# Altium PCB PCB - v3.PcbDoc (part 1 of 2)
Units mm, origin at the board's own origin, x right, y up, seen from the top; angles counter-clockwise.
Board outline 54.04 x 54.04 mm, 4 copper layers (Top Layer, Int1 (GND), Int2 (GND), Bottom Layer), stack 1.586 mm thick; 170 components, 116 nets, 729 pads, 96 vias.
Unrouted connection lines stored in the file: 174.
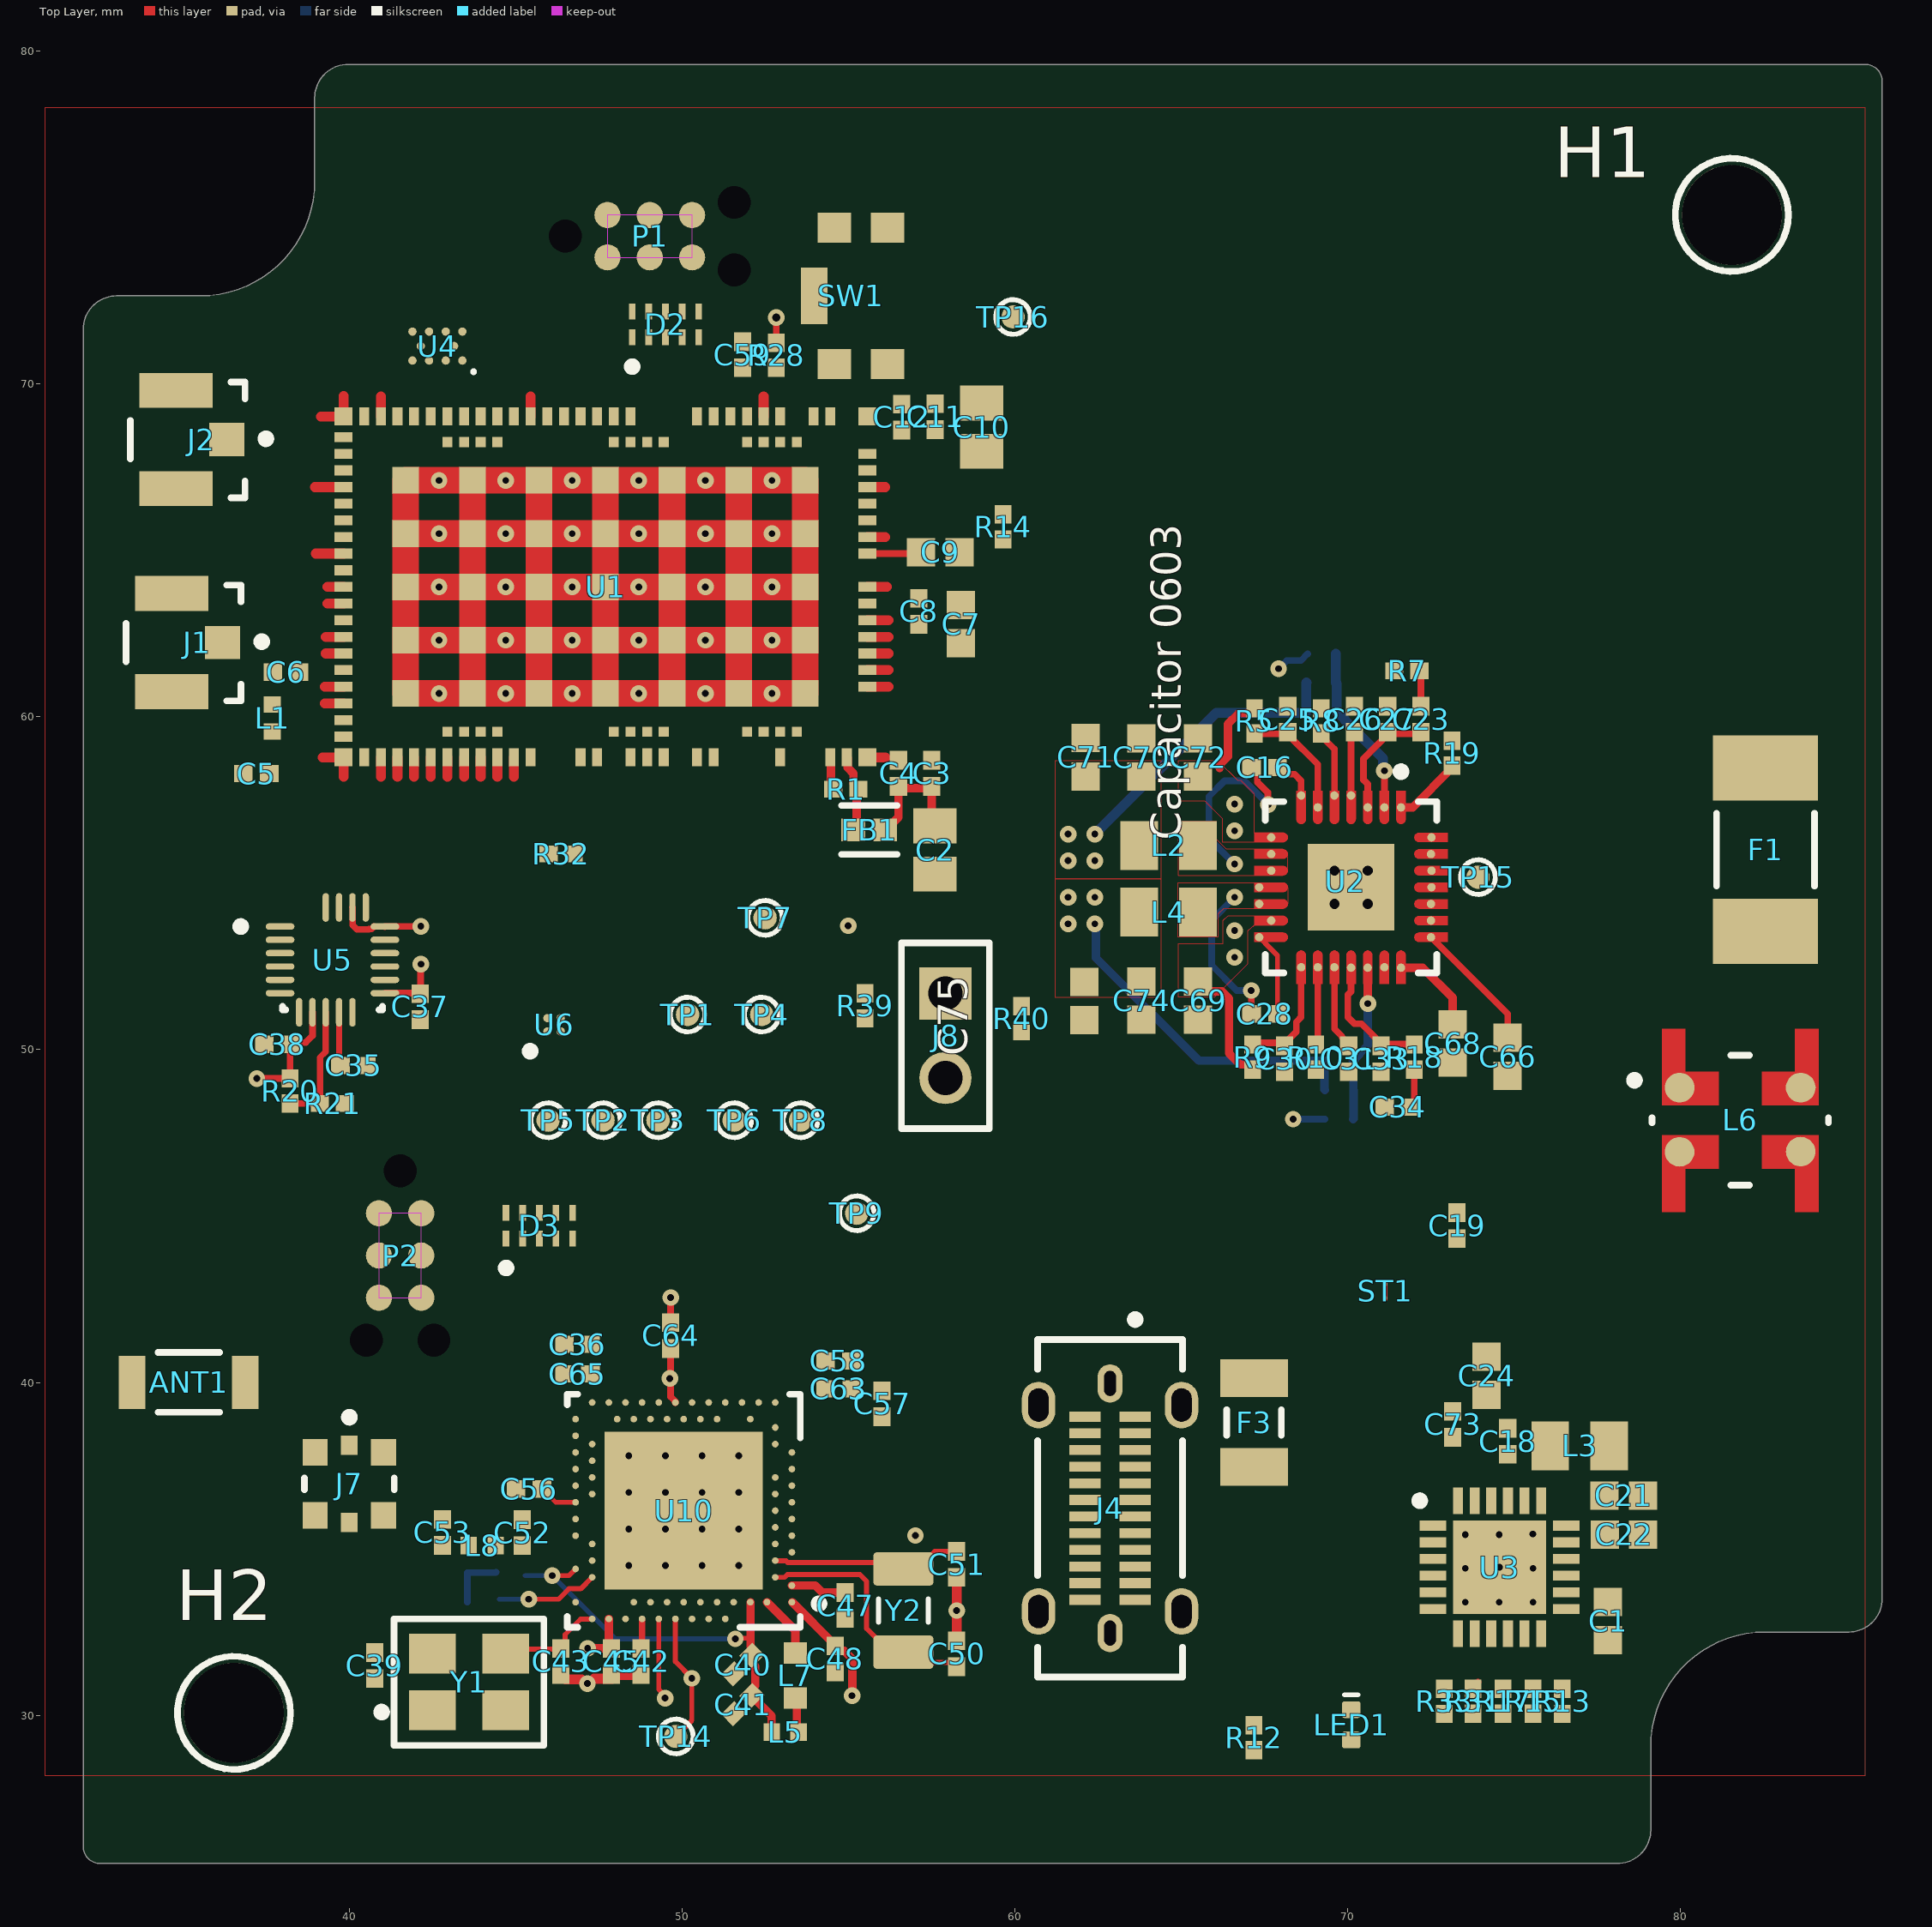
[diagram p0: Top Layer view]
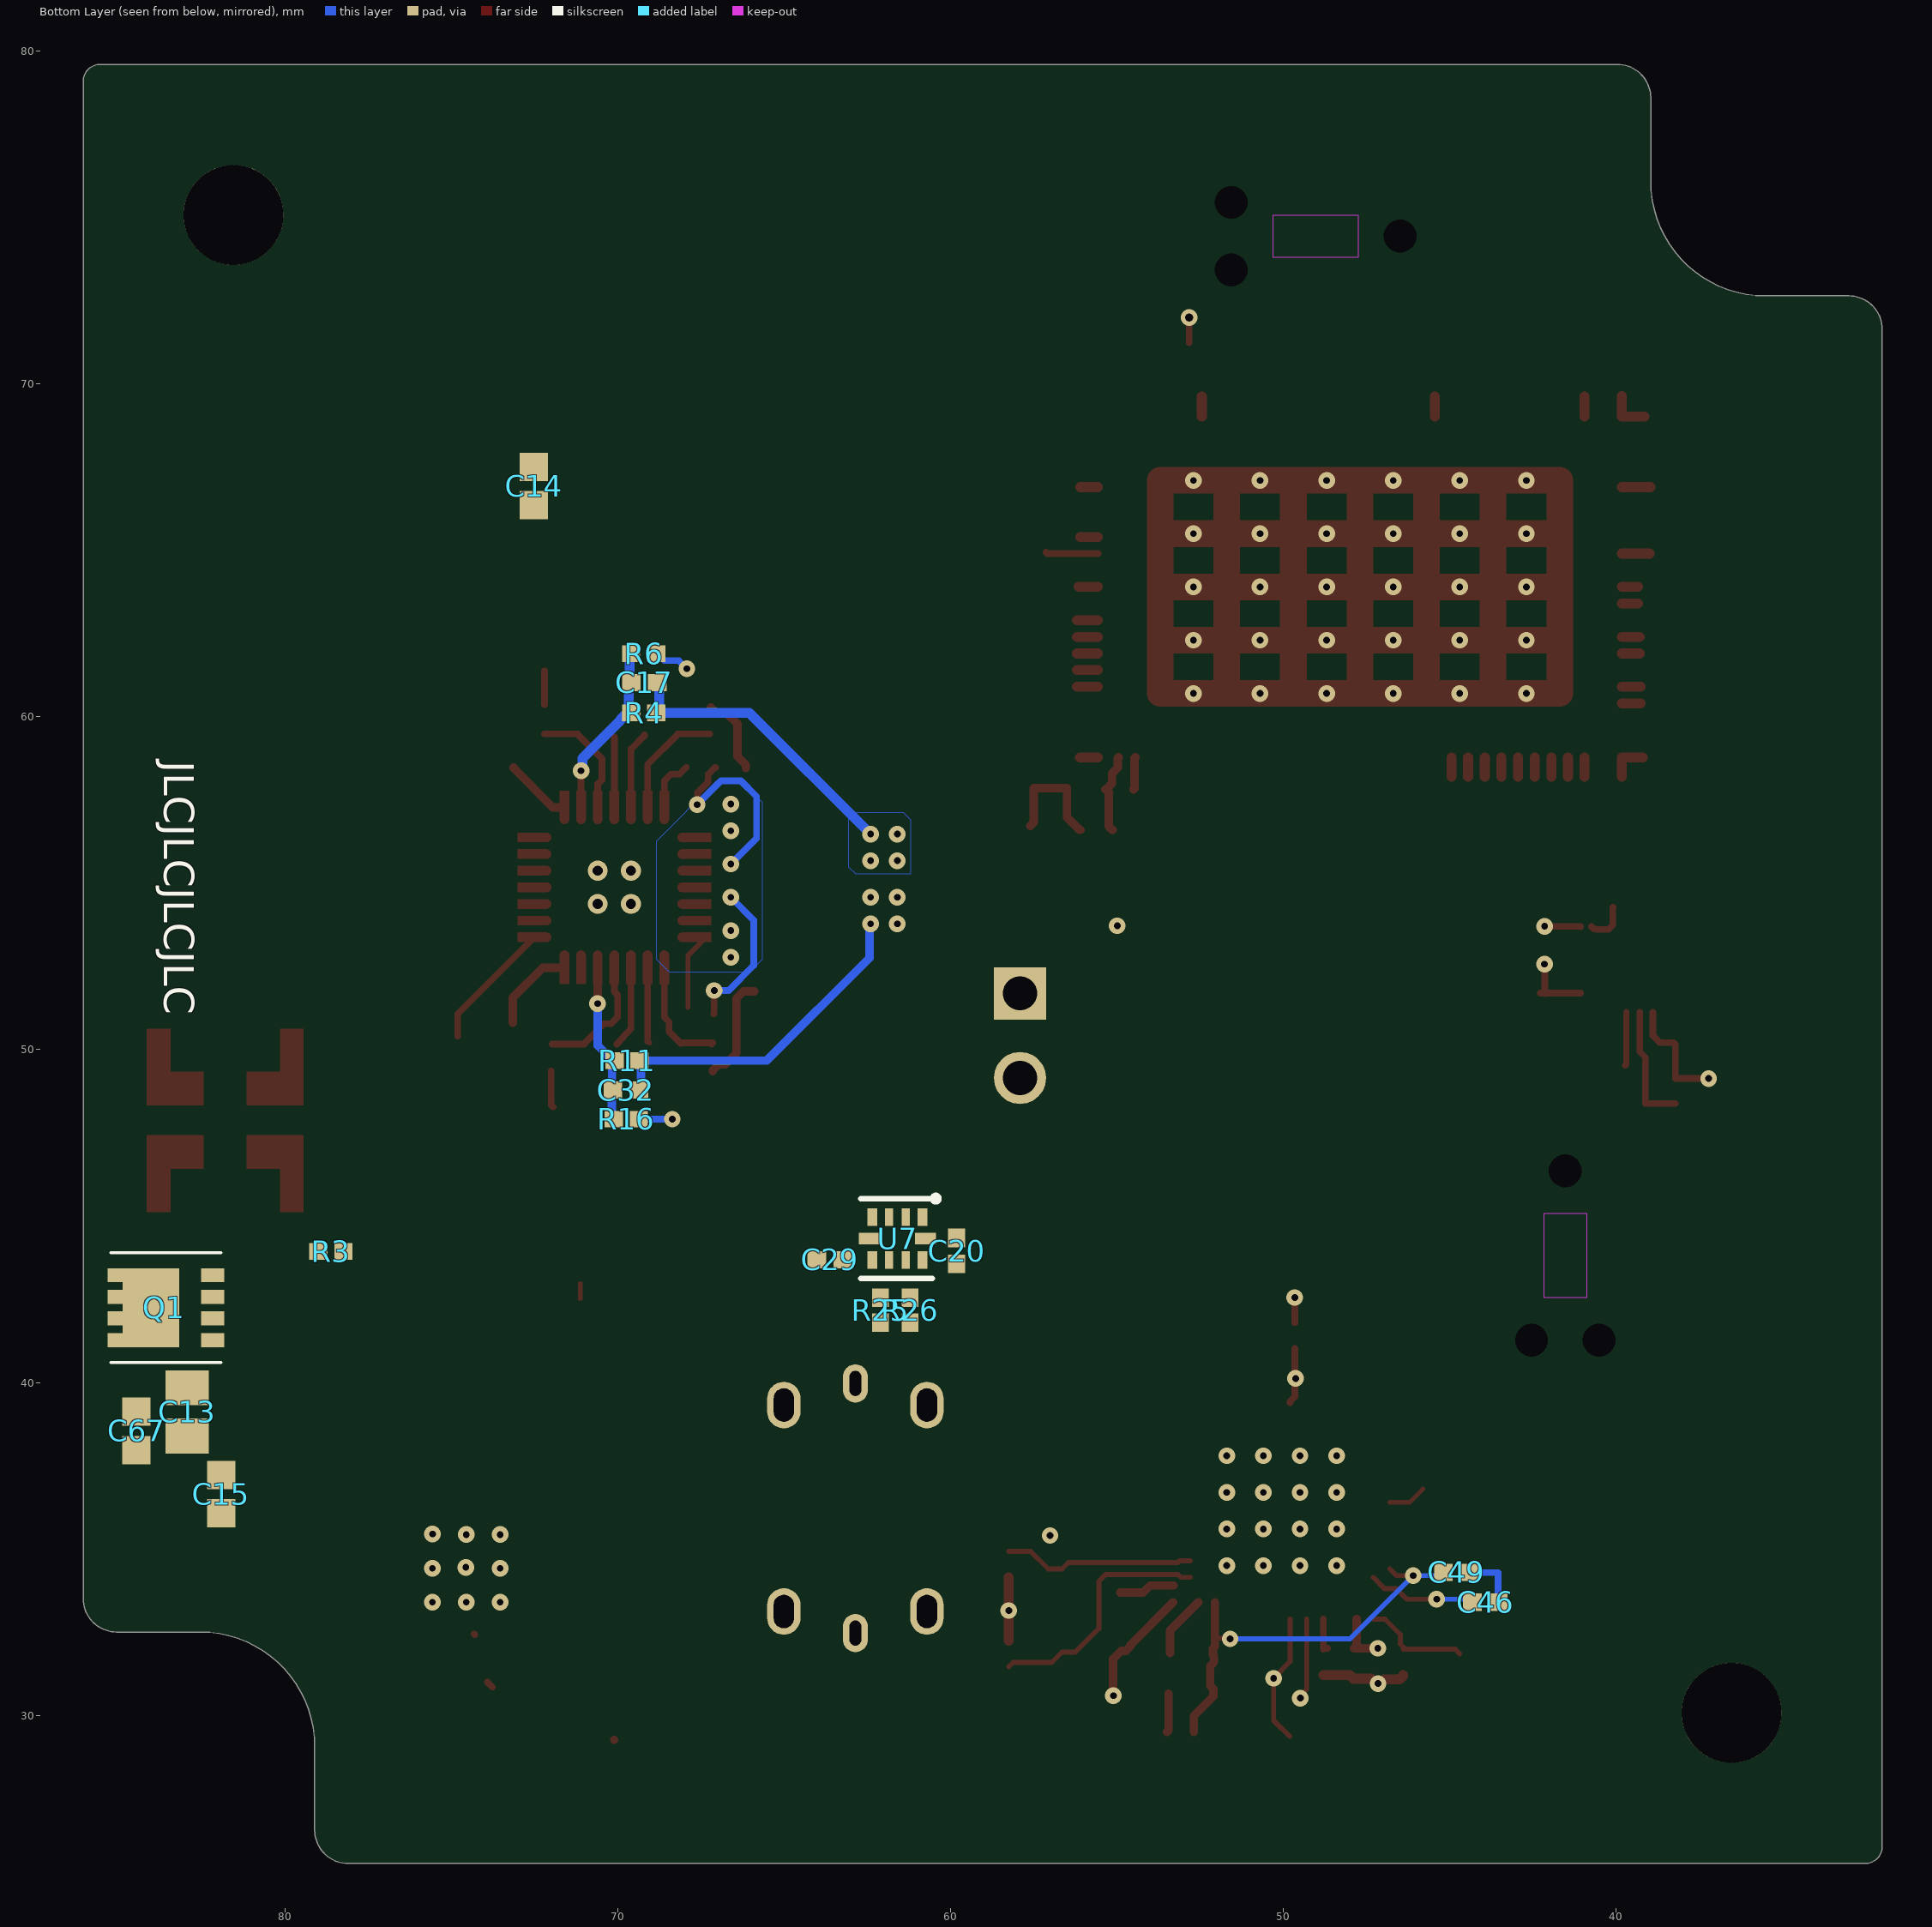
[diagram p1: Bottom Layer view, seen from below]
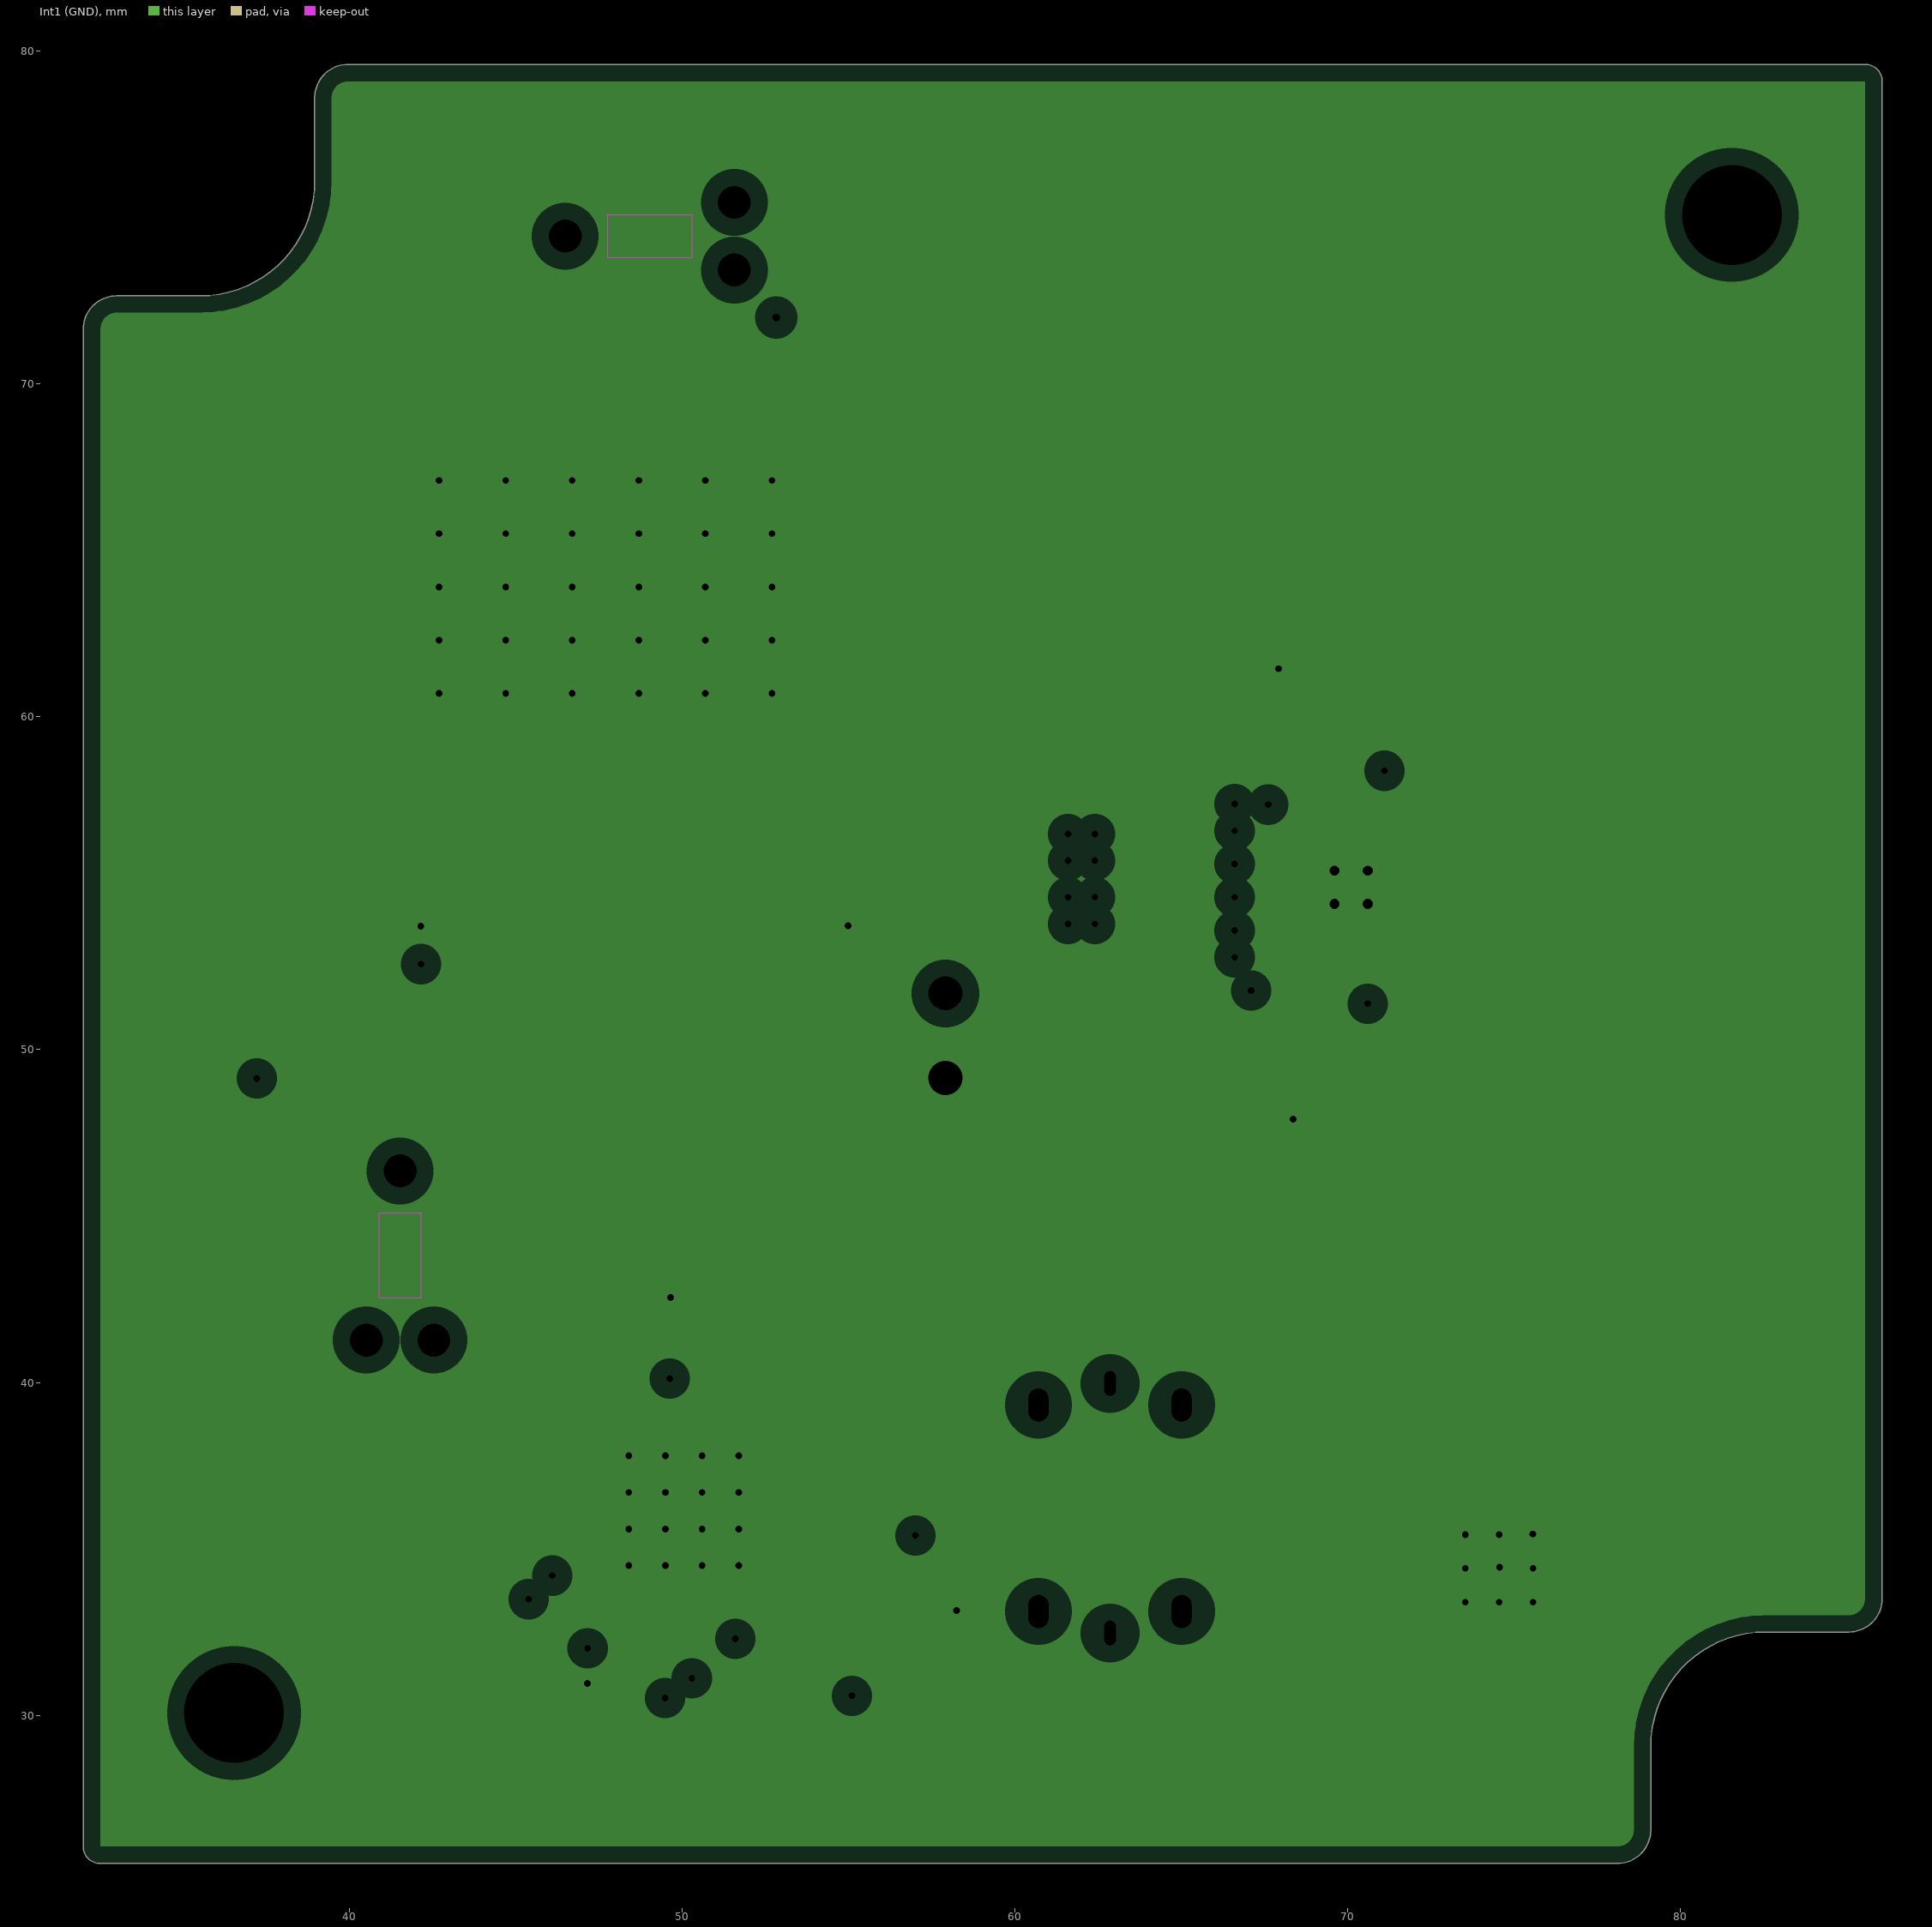
[diagram p2: Int1 (GND), clearances drawn from the general rule]
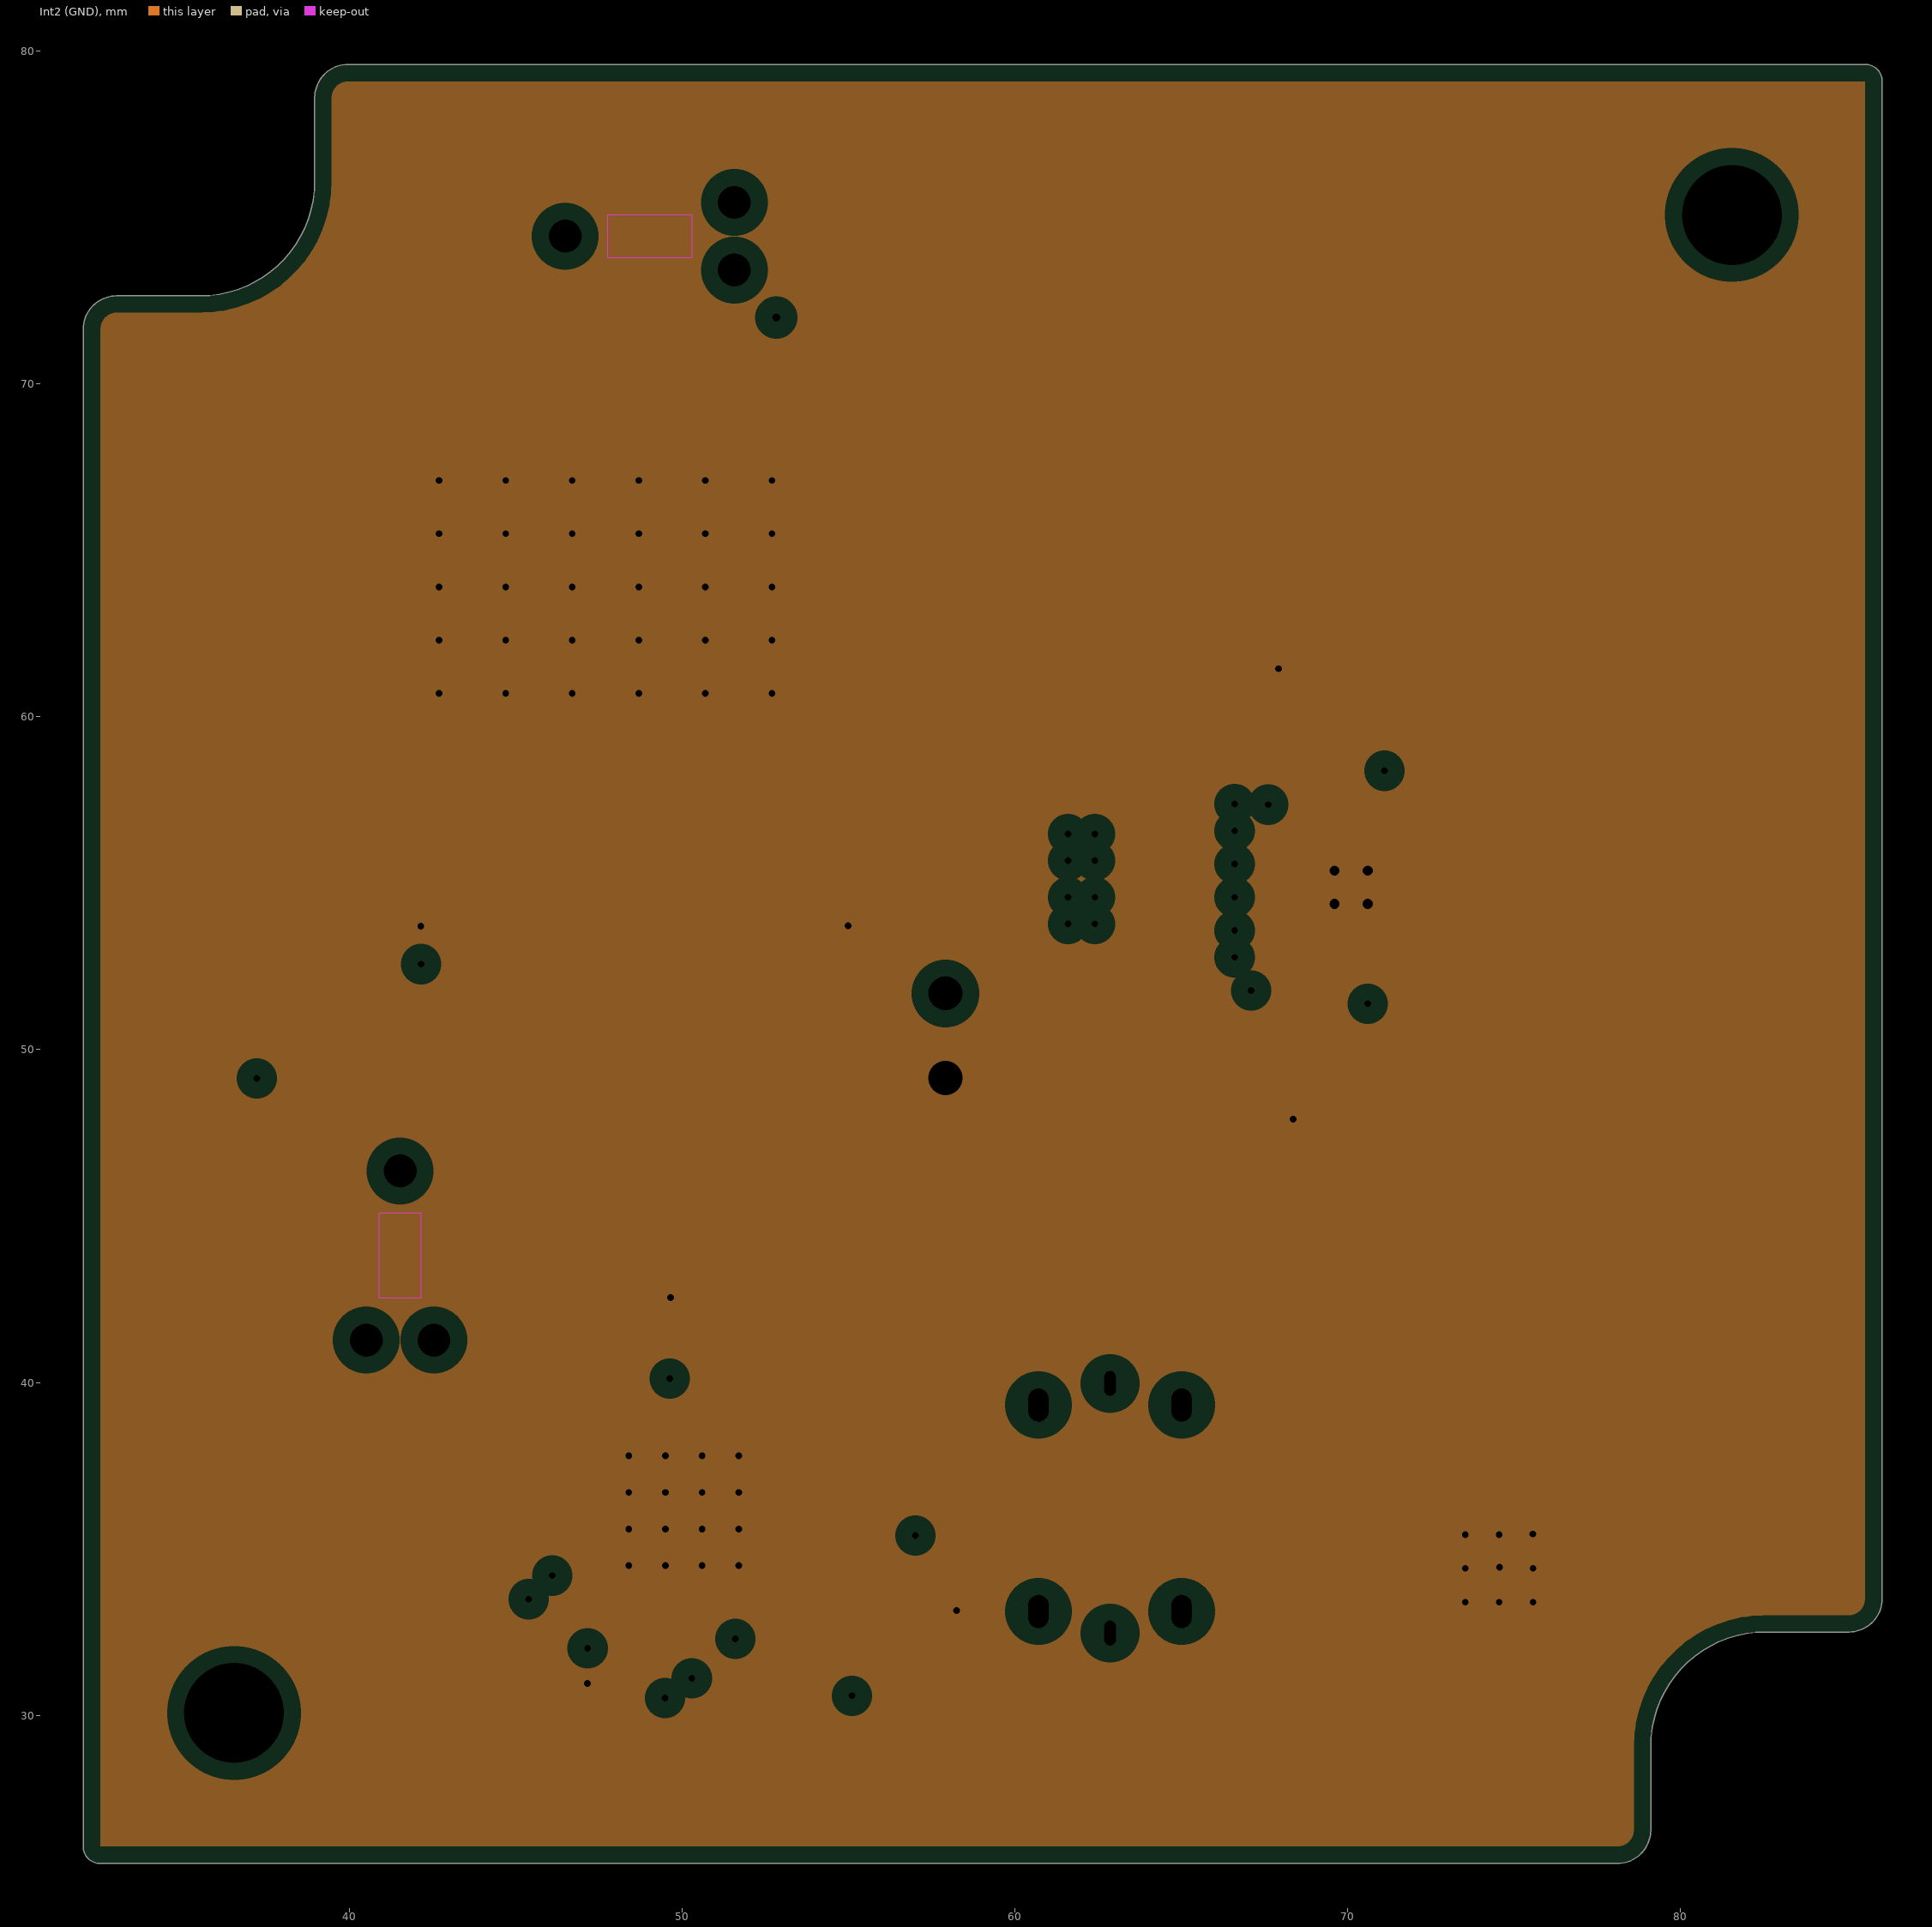
[diagram p3: Int2 (GND), clearances drawn from the general rule]

## Layer stack, top to bottom
Top Solder: solder mask 0.0254, SM-001, Dk 4
Top Layer: signal copper 0.035
Dielectric 2: prepreg 0.2104, PP-017, Dk 4.6
Int1 (GND): plane copper 0.0152, net GND
Dielectric 3: core 1.065, Core-039, Dk 4.8
Int2 (GND): plane copper 0.0152, net GND
Dielectric 4: prepreg 0.2104, PP-017, Dk 4.6
Bottom Layer: signal copper 0.035
Bottom Solder: solder mask 0.0254, SM-001, Dk 4

## Board outline
32.013,26.055 ccw(c32.513,26.055) 32.513,25.555 78.102,25.555 ccw(c78.102,26.555) 79.102,26.555 79.102,29.074 cw(c82.532,29.074) 82.532,32.505 85.052,32.505 ccw(c85.052,33.505) 86.052,33.505 86.052,79.094 ccw(c85.552,79.094) 85.552,79.594 39.963,79.594 ccw(c39.963,78.594) 38.963,78.594 38.963,76.074 cw(c35.532,76.074) 35.532,72.644 33.013,72.644 ccw(c33.013,71.644) 32.013,71.644

## Design rules (kind name [scope] priority, off if disabled: settings)
BoardOutlineClearance [All] p1: gap=0.254 ignorepadtopadclearanceinfootprint=FALSE
Clearance Clearance_2 [All] p1: gap=0.13 ignorepadtopadclearanceinfootprint=FALSE except(0: Arc-Text Arc-Hole Track-Text Track-Hole SMDPad-Hole THPad-Hole Via-Hole Fill-Text Fill-Hole Poly-Text Poly-Hole Region-Text Region-Hole Text-Text Text-Hole; 0.15: SMDPad-Text; 0.2: SMDPad-THPad; 0.254: Arc-Via Track-Via SMDPad-Via THPad-THPad THPad-Via THPad-Fill THPad-Poly THPad-Region Via-Fill Via-Poly Via-Region; 0.33: Arc-THPad Track-THPad; 0.5: Via-Via)
Clearance Clearance_1 [All] p2: gap=0 ignorepadtopadclearanceinfootprint=FALSE except(0.13: Arc-Fill Arc-Poly Arc-Region Track-Fill Track-Poly Track-Region SMDPad-Fill SMDPad-Poly SMDPad-Region Fill-Fill Fill-Poly Fill-Region Fill-Text Poly-Poly Poly-Region Poly-Text Region-Region Region-Text; 0.15: SMDPad-Text; 0.254: THPad-THPad THPad-Via THPad-Fill THPad-Poly THPad-Region Via-Via Via-Fill Via-Poly Via-Region; 0.33: SMDPad-THPad)
Clearance [All] p3: gap=0.13 ignorepadtopadclearanceinfootprint=FALSE except(0: Arc-Text Arc-Hole Track-Text Track-Hole SMDPad-Hole THPad-Hole Via-Hole Fill-Text Fill-Hole Poly-Text Poly-Hole Region-Text Region-Hole Text-Text Text-Hole; 0.15: SMDPad-Text; 0.254: Arc-Via Track-Via SMDPad-Via THPad-THPad THPad-Via THPad-Fill THPad-Poly THPad-Region Via-Fill Via-Poly Via-Region; 0.33: Arc-THPad Track-THPad SMDPad-THPad; 0.5: Via-Via)
ComponentClearance [OnLayer('Mechanical Layer 68')] p1: gap=0 collisioncheckmode=3 verticalgap=0 showdistances=FALSE
ComponentClearance ComponentClearance_1 [All] p2: gap=0.254 collisioncheckmode=3 verticalgap=0.254 showdistances=FALSE
DiffPairsRouting [All] p1: maxlimit=0.254 minlimit=0.254 mostfreqgap=0.254 toplayer_minwidth=0.14 toplayer_maxwidth=0.4 toplayer_prefwidth=0.381 bottomlayer_minwidth=0.14 bottomlayer_maxwidth=0.4 bottomlayer_prefwidth=0.381 maxuncoupledlength=12.7
HoleSize "NPTH Slot" [(ObjectKind = 'Pad') And (PadIsPlated = 'False') And (HoleType = 'Slot')] p1: absolutevalues=TRUE maxlimit=2.54 minlimit=1 maxpercent=80.000 minpercent=20.000
HoleSize "PTH Slot" [(ObjectKind = 'Pad') And (PadIsPlated = 'True') And (HoleType = 'Slot')] p2: absolutevalues=TRUE maxlimit=2.54 minlimit=0.5 maxpercent=80.000 minpercent=20.000
HoleSize [All] p3: absolutevalues=TRUE maxlimit=6.3 minlimit=0.2 maxpercent=80.000 minpercent=20.000
MatchedLengths [InDifferentialPair('D')] p1: tolerance=25.4 checknetsindiffpair=FALSE checkdiffpairvsdiffpair=TRUE checkxsignals=TRUE checkothers=TRUE
MaxMinImpedance "USB Impedance" [InNetClass('USB')] p1: minimum=85.00 maximum=95.00
MaxMinImpedance "RF Impedance" [InNetClass('RF')] p2: minimum=45.00 maximum=55.00
MinimumAnnularRing Via [IsVia] p1: minimumring=0.13
MinimumSolderMaskSliver [All] p1: minsoldermaskwidth=0.1
PlaneClearance [All] p1: clearance=0.508
PlaneConnect [All] p1: planeconnectstyle=Direct reliefexpansion=0.508 reliefentries=4 reliefconductorwidth=0.254 reliefairgap=0.254
PolygonConnect [All] p1: connectstyle=Direct reliefconductorwidth=0.254 reliefentries=4 polygonreliefangle="90 Angle" airgapwidth=0.254
RoutingVias [All] p1: holewidth=0.25 width=0.5 viastyle="Through Hole" minholewidth=0.2 minwidth=0.4 maxholewidth=0.5 maxwidth=1
SilkToSilkClearance [All] p1: silktosilkclearance=0.15
SilkToSolderMaskClearance [IsPad] p1: minsilkscreentomaskgap=0.15 clearancetoexposedcopper=TRUE
SolderMaskExpansion [All] p1: expansion=0.05 istentingtop=FALSE
SupplyNets "Schematic Supply Nets" [InNet('NetF2_1')] p1: voltage=14.00
Width [All] p1: maxlimit=2.5 minlimit=0.13 preferedwidth=0.254 minimp=50.000000 maximp=50.000000 favimp=50.000000
22 further rules are at their usual default settings.
